# Altium PCB carrier.PcbDoc (part 3 of 5)
Units mil, origin at the board's own origin, x right, y up, seen from the top; angles counter-clockwise.
Board outline 5511.81 x 3425.2 mil, 4 copper layers (Component Side, Power_layer1, Power_layer2, Solder Side), stack 65.912 mil thick; 384 components, 416 nets, 1916 pads, 853 vias.
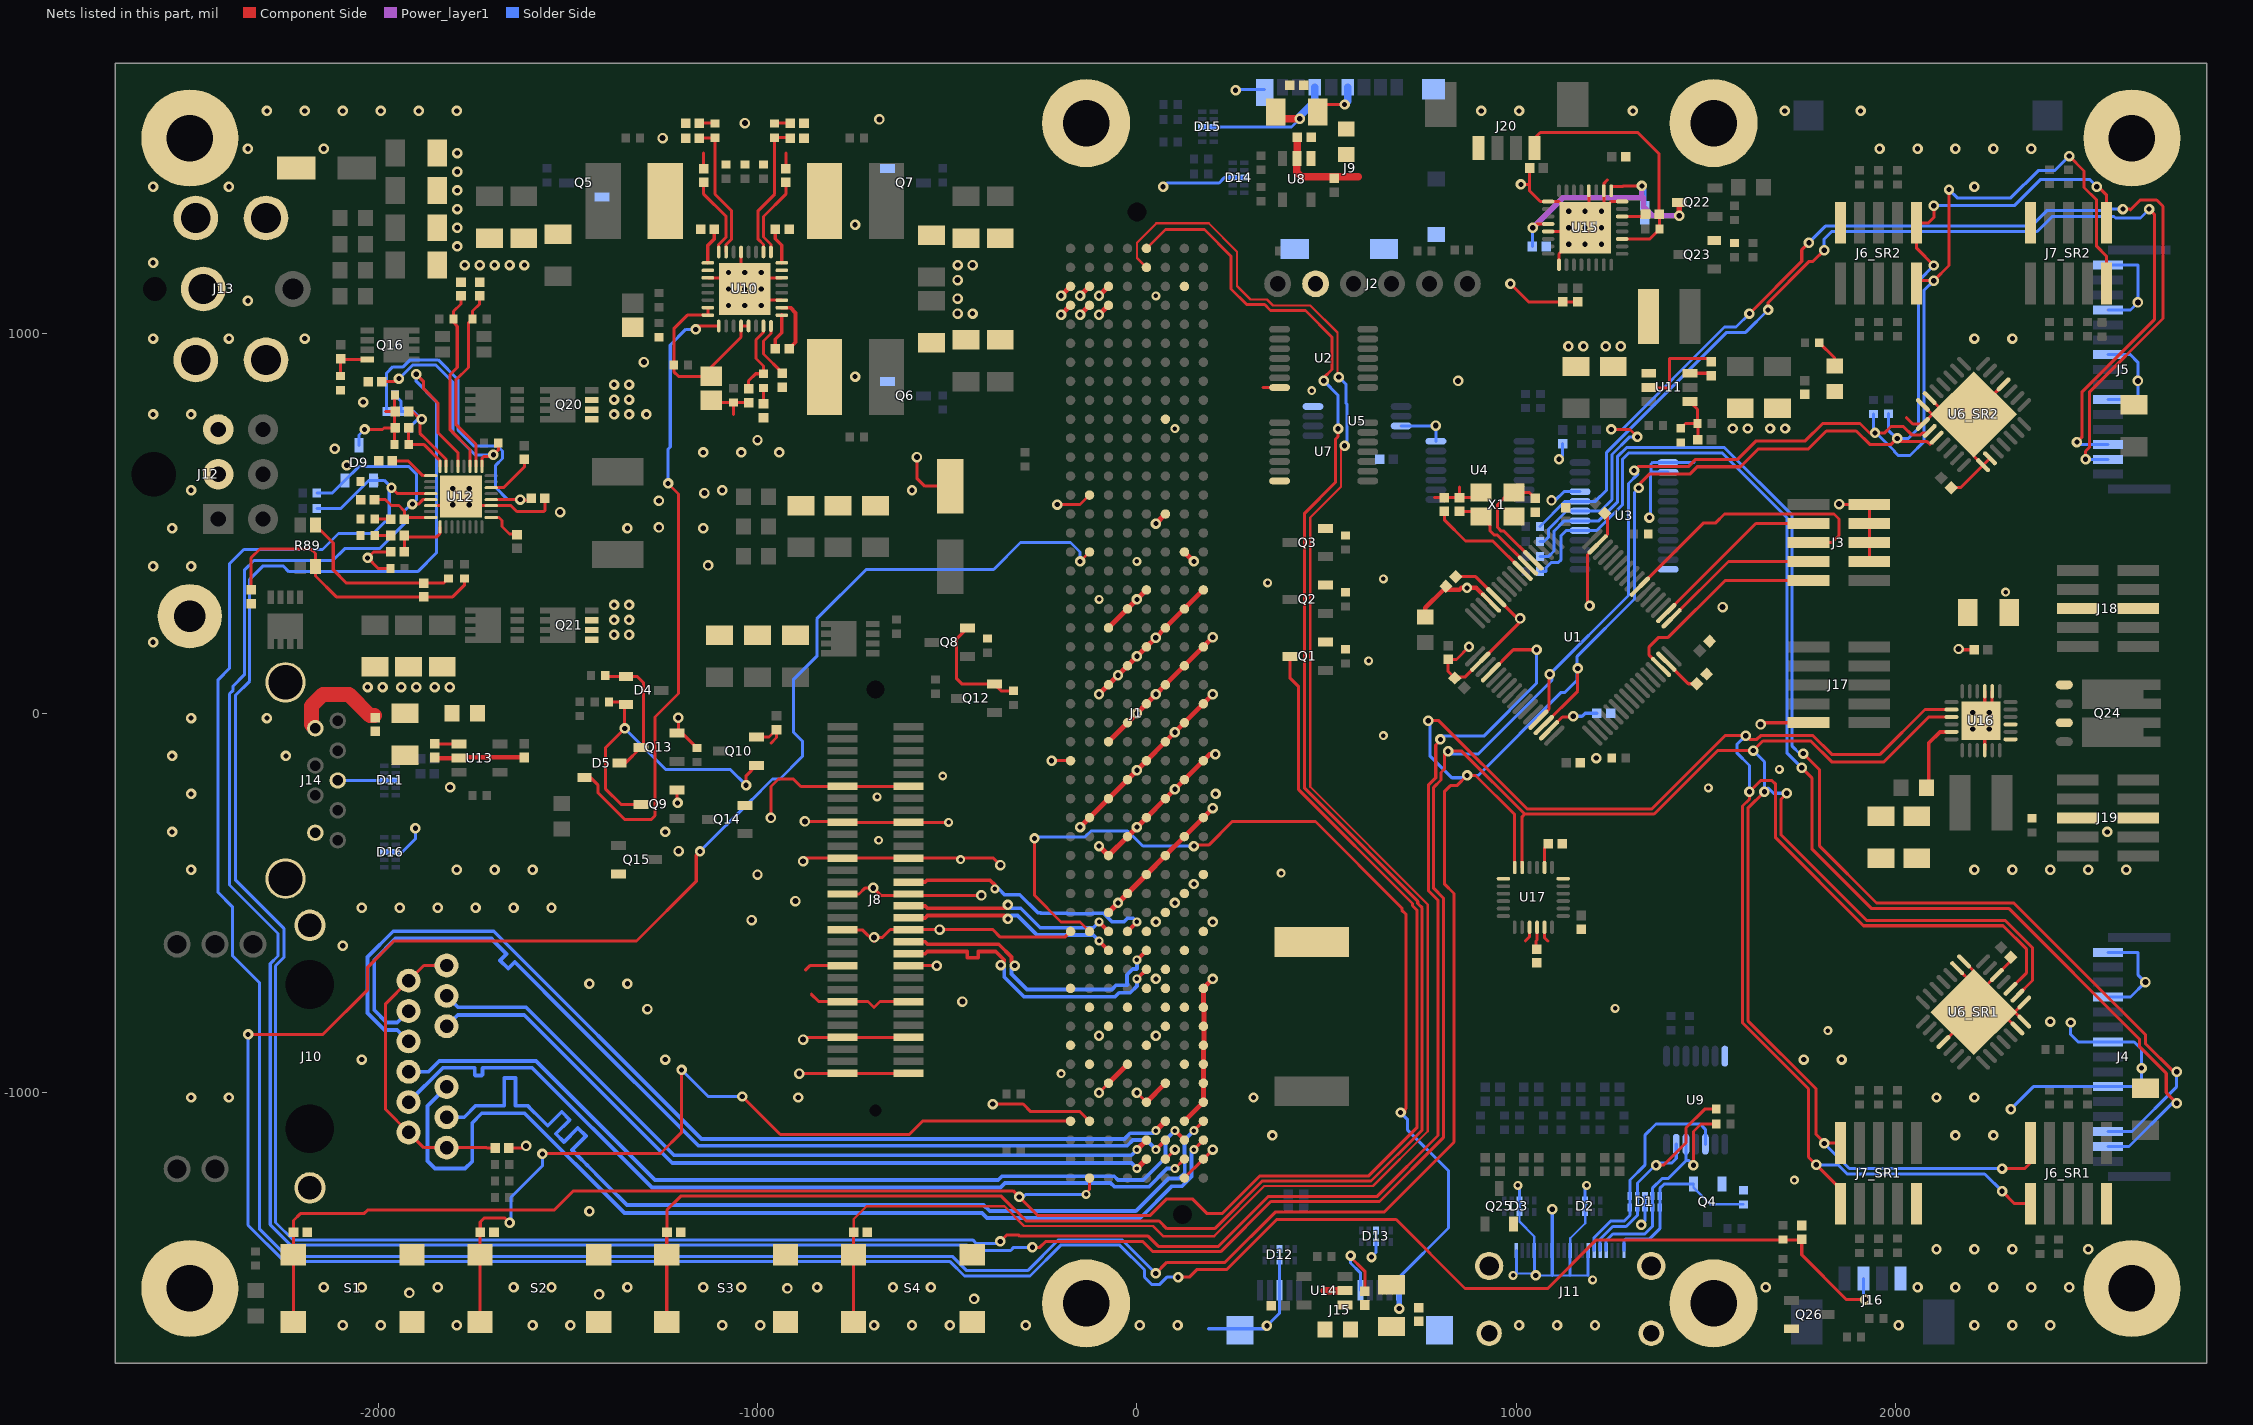
[diagram p5: the nets of this part, all layers, seen from the top]

## Via types
v1: diameter 27.56, hole 13.78, Component Side to Solder Side, 418 vias
v2: diameter 27.56, hole 13.78, Component Side to Solder Side, tented both sides, 128 vias
v3: diameter 23.62, hole 11.81, Component Side to Solder Side, tented top, 101 vias
v4: diameter 27.56, hole 13.78, Component Side to Solder Side, tented top, 72 vias
v5: diameter 27.56, hole 15.75, Component Side to Solder Side, 48 vias
v6: diameter 23.62, hole 11.81, Component Side to Solder Side, 39 vias
v7: diameter 27.56, hole 13.78, Component Side to Solder Side, tented bottom, 36 vias
v8: diameter 27.56, hole 15.75, Component Side to Solder Side, tented bottom, 7 vias
v9: diameter 50, hole 28, Component Side to Solder Side, 2 vias
v10: diameter 23.62, hole 11.81, Component Side to Solder Side, tented bottom, 2 vias

## Nets (pads, with @x,y where several pads share a name; then routed paths per layer and width w, separated by ;. In a path a pad name is that pad's centre, name@x,y a point inside that pad or via, vN(x,y) a via of type N, cw(c..) or ccw(c..) an arc to the next point about the centre after c; other vN are vias at no path point) (continued)
DPM2_D1_P: J1.D37 J8.28 | length 700
  Component Side w9.7: J8.28@-602.36,-444.88 -558.14,-444.88 -553.26,-440 -387.15,-440 -374.21,-452.95 v6(-374.21,-462.79) ; J1.D37@-25,-575 v3(0,-550)
  Solder Side w9.7: v6(-374.21,-462.79) -364.36,-462.79 -348.9,-478.25 -308.9,-478.25 -261.78,-525.37 -254.63,-525.37 -252.82,-527.18 -184.16,-527.18 -182.61,-528.73 -117.39,-528.73 -115.84,-527.18 -87.99,-527.18 -65.97,-549.2 -34.39,-549.2 -25.19,-540 -10,-540 v3(0,-550)
DPM2_D2_N: J1.C37 J8.32 | length 575.3
  Component Side w9.7: J8.32@-602.36,-507.87 -558.14,-507.87 -551.99,-514.02 -348.93,-514.02 v1(-340,-505.09) ; v3(-100,-550) J1.C37@-75,-575
  Solder Side w9.7: v1(-340,-505.09) -331.07,-514.02 -305.98,-514.02 -254.6,-565.4 -115.4,-565.4 v3(-100,-550)
DPM2_D2_P: J1.C38 J8.34 | length 575.3
  Component Side w9.7: J8.34@-602.36,-539.37 -558.14,-539.37 -551.99,-533.22 -348.93,-533.22 v1(-340,-542.15) ; v3(-100,-600) J1.C38@-75,-625
  Solder Side w9.7: v1(-340,-542.15) -331.07,-533.22 -315,-533.22 -263.62,-584.6 -115.4,-584.6 v3(-100,-600)
DPM2_D3_N: J1.E38 J8.38 | length 787.4
  Component Side w9.7: J8.38@-602.36,-602.36 -558.14,-602.36 -551.99,-608.51 -364.34,-608.51 -330.8,-642.05 -330.8,-656.07 v1(-321.87,-665) ; v3(0,-650) J1.E38@25,-625
  Solder Side w9.7: v1(-321.87,-665) -330.8,-673.93 -330.8,-687.05 -290,-727.85 -65.74,-727.85 -55.03,-717.14 -25.71,-717.14 -24.19,-715.63 -24.19,-712.8 -26.16,-710.84 -26.16,-689.16 -10.84,-673.84 -0.99,-673.84 0,-672.85 v3(0,-650)
DPM2_D3_P: J1.E39 J8.40 | length 786.7
  Component Side w9.7: J8.40@-602.36,-633.86 -558.14,-633.86 -551.99,-627.71 -492.13,-627.71 -477.28,-627.71 -447.58,-627.71 -447.58,-644.05 -417.88,-644.05 -417.88,-627.71 -372.29,-627.71 -350,-650 -350,-655 -358.61,-663.61 v1(-358.93,-663.61) ; v3(0,-700) J1.E39@25,-675
  Solder Side w9.7: v1(-358.93,-663.61) -350,-672.54 -350,-695 -297.95,-747.05 -57.79,-747.05 -47.08,-736.34 -17.75,-736.34 0,-718.59 v3(0,-700)
EN_OTG: U1.20 U12.5 | length 7938.4
  Component Side w8: v1(-1899.61,893.7) -1879.92,874.02 -1879.92,855 -1842.59,817.67 -1842.59,740 -1789.37,686.78 U12.5@-1789.37,650.59 ; v1(-360.13,-1391.84) -343.29,-1375 -311.57,-1375 -308.57,-1378 29.46,-1378 56.41,-1404.95 214.64,-1404.95 330.14,-1289.46 330.34,-1289.46 346.84,-1272.96 633.43,-1272.96 793.54,-1112.85 793.54,-492.55 768,-467.01 768,-189.4 787.4,-170 787.4,-83.66 799.7,-71.36 v1(799.7,-68.9) ; U1.20@932.86,108.13 992.05,167.32 v1(1053.15,167.32)
  Solder Side w8: v1(-1899.61,893.7) -1899.61,874.61 -1846.3,821.3 -1846.3,422.45 -1895.71,373.03 -2235.24,373.03 -2250.55,388.35 -2302.87,388.35 -2338.36,352.86 -2338.36,84.7 -2376.2,46.86 -2376.2,-438.76 -2248.25,-566.71 -2248.25,-643.81 -2270.09,-665.65 -2270.09,-1342.11 -2224.33,-1387.88 -432.99,-1387.88 -423.23,-1397.64 -365.93,-1397.64 v1(-360.13,-1391.84) ; v1(799.7,-68.9) 797.24,-68.9 805.87,-60.27 914.14,-60.27 1053.15,78.74 v1(1053.15,167.32)
GND: C1.2 C2.2 C3.2 C4.2 C5.2 C6.2 C7.2 C8.2 C9.2 C10.2 C11.2 C12.1 C13.2 C14_SR1.1 C14_SR2.1 C15.1 C16.1 C17.1 C18.1 C19.2 C20.1 C21.1 C22.1 C23.1 C33.1 C34.1 C35.1 C36.1 C37.1 C38.1 C39.2 C40.1 C41.1 C42.1 C44.1 C45.1 C46.1 C47.1 C48.1 C49.1 C52.1 C53.1 C54.1 C55.1 C56.1 C58.1 C59.1 C60.1 C61.1 C62.1 C63.1 C64.1 C65.1 C66.1 C67.1 C68.1 C69.1 C70.1 C77.2 C78.2 C79.2 C80.2 C81.1 C82.1 C83.1 C84.1 C85.1 C86.2 C87.1 C88.1 C89.1 C92.2 C93.1 C94.1 C95.1 C98.1 C99.1 C100.1 C101.1 C102.1 C103.1 C105.1 C106.1 C107.2 C108.2 C109.1 C110.1 C111.1 C112.1 C113.2 C114.1 C115.1 C116.1 C117.1 C118.1 C119.2 C120.1 C121.2 C122.2 C123.2 D1.3 D2.3 D3.3 D6.C D9.A D10.A D11.3 D12.3 D13.3 D14.3 D15.3 D16.3 J1.A3 J1.A4 J1.A28 J1.A37 J1.A40 J1.A43 J1.B3 J1.B4 J1.B14 J1.B31 J1.B38 J1.B41 J1.B44 J1.B47 J1.C3 J1.C4 J1.C21 J1.C24 J1.C27 J1.C30 J1.C33 J1.C36 J1.C39 J1.C42 J1.C45 J1.D20 J1.D23 J1.D26 J1.D29 J1.D32 J1.D35 J1.D38 J1.D41 J1.D44 J1.E19 J1.E22 J1.E25 J1.E28 J1.E31 J1.E34 J1.E37 J1.E40 J1.E43 J1.E46 J1.F10 J1.F15 J1.F21 J1.F24 J1.F27 J1.F30 J1.F33 J1.F36 J1.F39 J1.F40 J1.F41 J1.F42 J1.F45 J1.F49 J1.G3 J1.G17 J1.G20 J1.G23 J1.G26 J1.G29 J1.G32 J1.G35 J1.G38 J1.G41 J1.G44 J1.G47 J1.G50 J1.H19 J1.H22 J1.H25 J1.H28 J1.H31 J1.H34 J1.H37 J1.H40 J1.H41 J1.H42 J1.H43 J1.H44 J1.H45 J1.H46 J1.H49 J2.2 J3.3 J3.5 J3.7 J3.9 J4.1 J4.4 J4.7 J4.10 J5.1 J5.4 J5.7 J5.10 J6_SR1.2 J6_SR2.2 J7_SR1.2 J7_SR2.2 J8.11 J8.12 J8.17 J8.18 J8.23 J8.24 J8.29 J8.30 J8.35 J8.36 J8.41 J8.42 J8.47 J8.48 J8.53 J8.54 J8.59 J8.60 J9.6 J9.SHIELD J9.SW2 J10.SHIELD J11.1 J11.4 J11.7 J11.10 J11.13 J11.SHIELD J12.2 J12.3 J13.2 J13.3 J14.4 J14.7 J14.SHIELD J15.5 J15.8 J15.SHIELD J16.1 J17.2 J18.5 J18.6 J19.5 J19.6 J20.4 MH1.1 MH2.1 MH3.1 MH4.1 MH5.1 MH7.1 MH8.1 MH9.1 MH10.1 Q1.S Q2.S Q3.S Q4.S Q5.S Q6.S Q7.S Q8.S Q9.S Q10.S Q12.S Q13.S Q14.S Q15.S Q20.S Q21.S Q23.E Q25.S Q26.S R6.1 R7.1 R17.1 R18.1 R19.1 R30.2 R57.2 R61.2 R67.1 R68.2 R74.1 R75.1 R79.1 R81.2 R82.1 R93.1 R96.1 R97.1 R98.2 R99.2 R100.1 R101.1 R106.1 R112.1 S1.2 S2.2 S3.2 S4.2 U1.12 U1.18 U1.63 U2.7 U3.1 U3.2 U3.12 U3.21 U4.7 U5.4 U5.7 U6_SR1.1 U6_SR1.2 U6_SR1.11 U6_SR1.20 U6_SR1.21 U6_SR1.22 U6_SR1.26 U6_SR1.29 U6_SR2.1 U6_SR2.2 U6_SR2.11 U6_SR2.20 U6_SR2.21 U6_SR2.22 U6_SR2.29 U7.7 U8.2 U9.7 U10.11 U10.14 U10.21 U10.27 U10.33 U11.1 U12.14 U12.27 U12.33 U13.2 U14.2 U15.1 U15.16 U15.18 U15.20 U15.25 U15.29 U15.33 U16.4 U16.14 U16.15 U16.25 U17.1 U17.9 U17.11 U17.18 X1.2 | length 18790.2
  Component Side w8: v1(-2035.43,748.03) -1988.19,748.03 -1984.25,751.97 C82.1@-1956.69,751.97 ; -1980.31,795.28 C70.1@-1956.69,795.28 ; R99.2@-1967.52,381.89 -2000,381.89 v1(-2027.56,409.45) -2011.81,425.2 C78.2@-1966.93,425.2 ; R101.1@-1956.69,708.66 C82.1@-1956.69,751.97 ; R98.2@-1955.71,838.58 -1956.69,837.6 C70.1@-1956.69,795.28 ; C82.1@-1955.12,751.97 C82.1@-1956.69,751.97 ; C70.1@-1955.12,795.28 C70.1@-1956.69,795.28 ; U12.14@-1861.22,547.24 -1805.12,547.24 v1(-1803.15,549.21) U12.33@-1781.5,570.87 -1757.87,547.24 U12.27@-1701.77,547.24 -1650,547.24 -1634.25,531.5 -1562.99,531.5 -1560.63,533.86 C80.2@-1560.63,566.93 ; C23.1@-1655.12,-1145.67 -1615.67,-1145.67 v5(-1610,-1140) ; Q9.S@-1212.76,-202.6 -1212.76,-225.91 -1210.63,-228.03 v1(-1210.63,-236.22) ; v1(-1208.66,-11.81) -1208.66,-48.5 Q13.S@-1212.76,-52.6 -1198.7,-52.6 R81.2@-1160,-91.3 ; C36.1@-1141.73,1435.43 -1141.73,1476.38 ; U10.27@-1130.91,1147.64 -1062.99,1147.64 U10.33@-1043.31,1127.95 ; C64.1@-1122.05,824.8 -1115.75,818.5 R61.2@-1062.99,818.5 ; -1062.99,787.4 R61.2@-1062.99,818.5 ; R61.2@-1062.99,818.9 R61.2@-1062.99,818.5 ; U10.21@-1043.31,1215.55 U10.33@-1043.31,1127.95 ; C46.1@-1023.62,818.5 R61.2@-1062.99,818.5 ; Q10.S@-1002.76,-62.6 -969.49,-62.6 C66.1@-950,-43.11 -950,-64.17 -964.57,-78.74 ; v5(-964.57,-275.59) -964.57,-192.91 -944.88,-173.23 -905.51,-173.23 -885.83,-192.91 J8.11@-775.59,-192.91 J8.12@-602.36,-192.91 ; U10.11@-936.02,1088.58 -1003.94,1088.58 v1(-1033.46,1118.11) ; U10.14@-936.02,1147.64 -1003.94,1147.64 v1(-1033.46,1118.11) ; C61.1@-925.2,1435.43 -925.2,1476.38 ; v5(-890,-950) -888.82,-948.82 J8.59@-775.59,-948.82 J8.60@-602.36,-948.82 ; v5(-880,-860) -874.33,-854.33 J8.53@-775.59,-854.33 J8.54@-602.36,-854.33 ; v5(-880,-390) -871.89,-381.89 J8.23@-775.59,-381.89 J8.24@-602.36,-381.89 -378.11,-381.89 v5(-360,-400) ; v5(-875,-285) -777.99,-285 J8.17@-775.59,-287.4 J8.18@-602.36,-287.4 v6(-496.06,-287.4) ; -874.02,-677.17 -862.2,-665.35 J8.41@-775.59,-665.35 ; -858.27,-740.16 -838.58,-759.84 J8.47@-775.59,-759.84 -708.66,-759.84 -692.91,-775.59 -677.17,-759.84 J8.48@-602.36,-759.84 ; J8.35@-775.59,-570.87 -723.62,-570.87 -692.91,-601.57 v5(-692.91,-590.55) -670.55,-590.55 -650,-570 v5(-520,-570) -380,-570 -360.06,-589.94 -189.94,-589.94 J1.A37@-175,-575 ; J8.29@-775.59,-476.38 -732.28,-476.38 -715.91,-460 v5(-695,-460) -675,-480 v5(-410,-480) ; J8.42@-602.36,-665.35 v1(-527.56,-665.35) ; v5(-580,675) -580,619.37 -559.06,598.43 C113.2@-492.13,598.43 ; Q8.S@-446.31,224.41 -476,194.72 -476,92.14 -460.63,76.77 Q12.S@-375.98,76.77 -358.27,59.06 R82.1@-324.8,59.06 ; v1(-380,-1030) -300,-1030 -280,-1050 -150,-1050 J1.B47@-125,-1075 ; v4(-225,-125) J1.A28@-175,-125 ; v4(-210,550) -150,550 J1.B14@-125,575 ; v4(-100,-1000) J1.C45@-75,-975 ; v4(0,-1000) J1.E46@25,-1025 ; J1.F49@75,-1175 v4(100,-1150) ; J1.G50@125,-1225 J1.H49@175,-1175 v4(200,-1150) ; 332.68,858.27 U2.7@375.98,858.27 ; v1(562.99,-1429.13) 559.06,-1429.13 600.39,-1470.47 C93.1@600.39,-1523.23 ; 784.65,568.11 C9.2@810,568.11 C10.2@850,568.11 ; C2.2@840,360 892.56,360 U1.12@946.78,305.79 1002.56,250 v5(1010,250) 1010,240.95 U1.18@905.02,135.97 864.06,95.01 837.19,95.01 C3.2@837.19,92.81 820,110 C1.2@820,141.89 841.89,141.89 v1(875,175) ; 850,596.85 C10.2@850,568.11 ; X1.2@906.69,581.5 893.31,568.11 C10.2@850,568.11 ; v1(984.25,1131.89) 1031.89,1084.25 C100.1@1122.05,1084.25 C101.1@1161.42,1084.25 ; v1(1011.81,1393.7) 1035.04,1393.7 ; 1023.62,-600.39 1034.76,-589.26 U17.9@1034.76,-563.98 ; C103.1@1035.04,1437.01 1035.04,1393.7 ; U17.11@1074.13,-563.98 1074.13,-591.84 1082.68,-600.39 ; U15.29@1083.66,1269.69 U15.33@1171.26,1269.69 ; U15.1@1112.2,1182.09 1112.2,1210.63 v1(1137.8,1236.22) U15.33@1171.26,1269.69 ; U15.20@1190.94,1376.97 U15.33@1190.94,1289.37 ; v1(1192.91,283.46) 1187.26,289.12 1187.26,418.21 U1.63@1214.03,444.98 1240,470.95 1240,520 C6.2@1232.81,527.19 ; v1(1224.41,1322.83) U15.33@1190.94,1289.37 ; 1240.16,1405.67 1230.32,1395.82 U15.18@1230.32,1376.97 1230.32,1328.74 1250,1348.43 U15.16@1278.54,1348.43 ; v5(1643.7,-29.53) 1648.23,-25 J17.2@1770,-25 ; v5(1850.39,551.18) 1851.57,550 J3.9@1930,550 J3.7@1930,500 J3.5@1930,450 J3.3@1930,400 ; 2027.56,779.53 2044.74,762.35 U6_SR2.22@2071.1,762.35 U6_SR2.29@2096.15,787.4 ; U6_SR2.21@2071.1,812.46 U6_SR2.29@2096.15,787.4 ; U6_SR2.20@2089.19,830.55 U6_SR2.29@2132.34,787.4 ; U6_SR1.11@2125.38,-866.74 U6_SR1.29@2204.72,-787.4 ; C14_SR2.1@2145.61,594.39 2170.39,594.39 U6_SR2.1@2229.78,653.78 ; U6_SR1.2@2161.57,-671.87 U6_SR1.29@2204.72,-715.02 ; v5(2165.35,169.29) 2167.32,167.32 C110.1@2206.3,167.32 ; U6_SR1.1@2179.67,-653.78 2204.72,-678.83 U6_SR1.29@2204.72,-715.02 ; U16.4@2234.25,-97.44 2234.25,-29.53 U16.25@2224.41,-19.68 v1(2246.06,1.97) 2253.94,9.84 U16.14@2253.94,58.07 ; U16.25@2234.25,1.97 U16.15@2234.25,58.07 ; U6_SR2.2@2247.87,671.87 U6_SR2.1@2229.78,653.78 ; U6_SR2.11@2284.07,866.74 U6_SR2.29@2204.72,787.4 ; C14_SR1.1@2302.81,-642.81 2302.81,-653.13 U6_SR1.26@2265.97,-689.97 U6_SR1.29@2204.72,-751.21 ; U6_SR1.20@2320.26,-830.55 U6_SR1.29@2277.11,-787.4 ; U6_SR1.21@2338.35,-812.46 U6_SR1.29@2313.3,-787.4 ; U6_SR1.22@2338.35,-762.35 U6_SR1.29@2313.3,-787.4 ; C82.1@-1956.69,751.97 C70.1@-1956.69,795.28 ; U10.33@-1043.31,1127.95 v1(-1033.46,1118.11) ; 1035.04,1393.7 1035.04,1376.38 1062.99,1348.43 U15.25@1083.66,1348.43 1112.2,1348.43 v1(1137.8,1322.83) v1(1181.1,1279.53) ; U15.33@1171.26,1269.69 v1(1181.1,1279.53) ; v1(1181.1,1279.53) U15.33@1190.94,1289.37 ; U6_SR2.29@2096.15,787.4 U6_SR2.29@2132.34,787.4 ; U6_SR2.29@2132.34,787.4 U6_SR2.29@2204.72,787.4 ; U6_SR1.29@2204.72,-787.4 U6_SR1.29@2277.11,-787.4 ; U6_SR1.29@2204.72,-787.4 U6_SR1.29@2204.72,-751.21 ; U6_SR1.29@2204.72,-751.21 U6_SR1.29@2204.72,-715.02 ; U6_SR2.29@2204.72,787.4 2204.72,678.83 U6_SR2.1@2229.78,653.78 ; U6_SR1.29@2277.11,-787.4 U6_SR1.29@2313.3,-787.4
  Component Side w12: C87.1@-1850.39,-116.54 -1848.82,-118.11 U13.2@-1786.42,-118.11 -1784.84,-116.54 C86.2@-1614.17,-116.54
  Component Side w13: v4(-200,1050) J1.A4@-175,1075 ; v4(-200,1100) J1.A3@-175,1125 ; v4(-150,-300) J1.B31@-125,-275 J1.C30@-75,-225 J1.D29@-25,-175 v4(0,-150) J1.E28@25,-125 J1.F27@75,-75 v4(100,-50) J1.G26@125,-25 J1.H25@175,25 v4(200,50) ; v4(-150,1050) J1.B4@-125,1075 ; v4(-150,1100) J1.B3@-125,1125 ; v4(-100,-350) J1.C33@-75,-375 J1.D32@-25,-325 v4(0,-300) J1.E31@25,-275 J1.F30@75,-225 v4(100,-200) J1.G29@125,-175 J1.H28@175,-125 191.73,-108.27 v4(206.69,-108.27) ; v4(-100,50) J1.C24@-75,75 v4(-50,100) J1.D23@-25,125 v4(0,150) J1.E22@25,175 v4(49.21,199.21) J1.F21@75,225 J1.G20@125,275 J1.H19@175,325 ; v4(-100,1050) J1.C4@-75,1075 ; v4(-100,1100) J1.C3@-75,1125 ; J1.C45@-75,-975 J1.D44@-25,-925 ; J1.C36@-75,-525 v4(-50,-500) J1.D35@-25,-475 J1.E34@25,-425 J1.F33@75,-375 J1.G32@125,-325 J1.H31@175,-275 v4(200,-250) ; J1.C27@-75,-75 J1.D26@-25,-25 v4(0,0) J1.E25@25,25 v4(50,50) J1.F24@75,75 J1.G23@125,125 J1.H22@175,175 v4(200,200) ; J1.C21@-75,225 J1.D20@-25,275 v4(0,300) J1.E19@25,325 ; J1.E46@25,-1025 J1.F45@75,-975 ; v4(50,500) J1.F15@75,525 ; J1.G47@125,-1075 J1.H46@175,-1025 J1.H45@175,-975 J1.H44@175,-925 J1.H43@175,-875 176.28,-873.72 176.28,-826.28 J1.H42@175,-825 176.28,-823.72 176.28,-776.28 J1.H41@175,-775 J1.H40@175,-725 v4(200,-700) ; J1.G17@125,425 v4(150,400)
  Component Side w20: C22.1@366.14,1584.65 383.79,1567 v7(429,1567) ; C20.1@422.83,1517.72 422.83,1463.19 U8.2@421.26,1461.61 421.26,1425.2 433.07,1413.39 582.68,1413.39 ; 494.09,-1521.65 U14.2@548.23,-1521.65
  Solder Side w6: v10@1000,-1476.38 v7@1047.24,-1476.38 ; v6(1003.94,-1244.09) v6@1007.87,-1248.03 ; D3.3@1007.87,-1314.37 1007.87,-1339.45 1047.24,-1378.82 J11.4@1047.24,-1415.35 ; v7@1049.46,-1479.83 v7(1051.18,-1481.55) ; v7@1052.92,-1476.38 1051.18,-1476.38 v7(1051.18,-1481.55) ; J11.10@1141.73,-1415.35 1141.73,-1383.61 1181.1,-1344.24 D2.3@1181.1,-1314.37 ; 1188.98,-1481.55 1141.73,-1481.55 1094.49,-1481.55 v7(1051.18,-1481.55)
  Solder Side w8: J14.7@-2106.3,-177.17 D11.3@-1983.66,-177.17 D11.3@-1953.35,-177.17 ; D9.A@-2050,706.26 -2050,733.46 v1(-2035.43,748.03) ; D16.3@-1983.66,-366.14 D16.3@-1953.35,-366.14 -1937.01,-366.14 -1901.57,-330.71 v1(-1901.57,-303.15) ; v4(68.9,1387.8) 78.74,1397.64 216.54,1397.64 230.31,1411.42 D14.3@252.56,1411.42 D14.3@282.87,1411.42 ; D15.3@171.85,1545.28 D15.3@202.17,1545.28 407.28,1545.28 v7(429,1567) ; 188.98,-1622.05 334.65,-1622.05 v7(342.52,-1614.17) 375.98,-1580.71 J15.8@375.98,-1520.67 D12.3@375.98,-1442.32 D12.3@375.98,-1412.01 ; v1(259.84,1641.73) 261.81,1643.7 J9.SHIELD@336.42,1643.7 ; v1(562.99,-1429.13) 562.99,-1448.82 588.58,-1474.41 J15.5@588.58,-1520.67 ; v1(618.11,-1433.07) 629.92,-1421.26 D13.3@629.92,-1393.11 D13.3@629.92,-1362.8 ; U5.7@696.14,757.2 786.73,757.2 v5(787.4,757.87) 787.86,757.42 U4.7@787.86,716.77 ; v10@1000,-1476.38 J11.1@1000,-1415.35 ; D3.3@1007.87,-1314.37 D3.3@1007.87,-1284.06 v6@1007.87,-1248.03 ; J11.4@1047.24,-1415.35 1047.24,-1476.38 1047.24,-1477.61 v7@1049.46,-1479.83 ; v5(1092.52,561.02) 1102.36,561.02 1125.31,583.98 U3.21@1167.64,583.98 ; 1094.49,-1481.55 J11.7@1094.49,-1415.35 v1(1094.49,-1307.09) ; v1(1112.2,669.29) 1122.05,679.13 C18.1@1122.05,710.24 ; 1141.73,-1481.55 J11.10@1141.73,-1415.35 ; D2.3@1181.1,-1314.37 D2.3@1181.1,-1284.06 1181.1,-1248.03 v6(1185.04,-1244.09) ; 1188.98,-1481.55 J11.13@1188.98,-1415.35 ; v1(1328.74,-1348.43) 1338.58,-1338.58 D1.3@1338.58,-1302.56 D1.3@1338.58,-1272.24 ; v1(1350.39,515.75) 1353.66,519.02 1353.66,633.86 1354.96,635.16 ; U3.2@1399.92,635.16 1354.96,635.16 ; 1468.5,661.42 1359.53,661.42 1354.96,656.85 1354.96,635.16 ; v1(2303.15,-1043.31) 2362.2,-984.25 J4.10@2559.06,-984.25 2627.95,-984.25 2647.64,-964.57 v1(2647.64,-935.04) 2647.64,-885.83 2627.95,-866.14 J4.7@2559.06,-866.14 2480.32,-866.14 2460.63,-846.46 v1(2460.63,-814.96) ; J4.4@2559.06,-748.03 2618.11,-748.03 v5(2657.48,-708.66) 2637.8,-688.98 2637.8,-629.92 J4.1@2559.06,-629.92 ; J5.10@2559.06,826.77 2627.95,826.77 2637.8,836.61 v5(2637.8,875.98) 2637.8,925.2 2618.11,944.88 J5.7@2559.06,944.88 ; J5.4@2559.06,1062.99 2618.11,1062.99 v5(2637.8,1082.68) 2637.8,1181.1 J5.1@2559.06,1181.1
  Solder Side w20: v7(429,1567) 427.09,1567 425.2,1568.9 468.7,1612.4 J9.6@468.7,1649.61
  other v1: 1210.63,-118.11 2202.76,-41.34 2246.06,-41.34 2202.76,1.97 -2027.56,68.9 -1988.19,68.9 -1938.98,68.9 -1899.61,68.9 -1850.39,68.9 -1811.02,68.9 -1377.95,206.69 -1338.58,206.69 -1377.95,246.06 -1338.58,246.06 -1377.95,285.43 -1338.58,285.43 -1759.84,549.21 -1803.15,592.52 -1759.84,592.52 -2082.68,653.54 -2114.17,696.85 1570.16,750.39 1609.53,750.39 1668.58,750.39 1707.95,750.39 -1377.95,787.4 -1338.58,787.4 -2039.21,819.95 -1377.95,826.77 -1338.58,826.77 -1377.95,866.14 -1338.58,866.14 1137.09,966.93 1176.46,966.93 1235.51,966.93 1274.88,966.93 -1076.77,1074.8 -1033.46,1074.8 -990.16,1074.8 -1076.77,1118.11 -990.16,1118.11 -1076.77,1161.42 -1033.46,1161.42 -990.16,1161.42 1181.1,1236.22 1224.41,1236.22 1137.8,1279.53 1224.41,1279.53 1181.1,1322.83 -1791.34,1377.95 -1791.34,1427.17 -1791.34,1476.38
  other v2: -2092.91,-1612.6 -1992.91,-1612.6 -1792.91,-1612.6 -1592.91,-1612.6 -1492.91,-1612.6 -1092.91,-1612.6 -992.91,-1612.6 -692.91,-1612.6 -592.91,-1612.6 -492.91,-1612.6 -292.91,-1612.6 7.09,-1612.6 107.09,-1612.6 1007.09,-1612.6 1107.09,-1612.6 1207.09,-1612.6 2007.09,-1612.6 2207.09,-1612.6 2307.09,-1612.6 2407.09,-1612.6 -2142.91,-1512.6 -2042.91,-1512.6 -1842.91,-1512.6 -1642.91,-1512.6 -1542.91,-1512.6 -1342.91,-1512.6 -1142.91,-1512.6 -1042.91,-1512.6 -842.91,-1512.6 -642.91,-1512.6 -542.91,-1512.6 1657.09,-1512.6 2057.09,-1512.6 2157.09,-1512.6 2257.09,-1512.6 2357.09,-1512.6 2457.09,-1512.6 2107.09,-1412.6 2207.09,-1412.6 2307.09,-1412.6 2507.09,-1412.6 -1442.91,-1312.6 357.09,-1112.6 2157.09,-1112.6 2257.09,-1112.6 -2492.91,-1012.6 -2392.91,-1012.6 -892.91,-1012.6 307.09,-1012.6 2107.09,-1012.6 2207.09,-1012.6 -2042.91,-912.6 -1242.91,-912.6 1757.09,-912.6 1857.09,-912.6 2407.09,-812.6 -1442.91,-712.6 -1342.91,-712.6 -2092.91,-612.6 -2042.91,-512.6 -1942.91,-512.6 -1842.91,-512.6 -1742.91,-512.6 -1642.91,-512.6 -1542.91,-512.6 -2492.91,-412.6 -1792.91,-412.6 -1692.91,-412.6 -1592.91,-412.6 2207.09,-412.6 2307.09,-412.6 2407.09,-412.6 2507.09,-412.6 2607.09,-412.6 -2542.91,-312.6 -1242.91,-312.6 2557.09,-312.6 -2492.91,-212.6 207.09,-212.6 -2542.91,-112.6 -2242.91,-112.6 -2492.91,-12.6 -2292.91,-12.6 -2592.91,187.4 -2592.91,387.4 -2492.91,387.4 -2542.91,487.4 -1342.91,487.4 -1142.91,487.4 -2492.91,587.4 -1092.91,587.4 -592.91,587.4 -1142.91,687.4 -1042.91,687.4 -942.91,687.4 -2592.91,787.4 -2492.91,787.4 -1292.91,787.4 -742.91,887.4 -2592.91,987.4 -2392.91,987.4 -2192.91,987.4 2207.09,987.4 2307.09,987.4 -2342.91,1087.4 -2592.91,1187.4 -742.91,1287.4 -2592.91,1387.4 -2392.91,1387.4 2207.09,1387.4 -2342.91,1487.4 -2142.91,1487.4 1957.09,1487.4 2057.09,1487.4 2157.09,1487.4 2257.09,1487.4 2357.09,1487.4 -2292.91,1587.4 -2192.91,1587.4 -2092.91,1587.4 -1992.91,1587.4 -1892.91,1587.4 -1792.91,1587.4 907.09,1587.4 1007.09,1587.4 1307.09,1587.4 1707.09,1587.4 1907.09,1587.4
  other v3: -200,-950 -100,300 0,400 100,750 50,1100
  other v4: -100,-850 50,-850 50,-700 50,-550 200,-550 100,-500 150,-450
  other v5: -429.13,-1543.31 -1417.32,-1531.5 -1917.32,-1527.56 -921.26,-1515.75 -1290,-780 -460,-760 -1015.75,-545.28 -900,-495 -1000,-425.2 -1207.68,-363.19 -1810,-195 1543.31,279.53 -1130,390 -1260,490 -1520,530 -1260,560 -1140,580 -1000,720 846.46,875.98 -1250,1515.75 -1033.46,1555.12 -679.13,1564.96
  other v6: 1732.28,-1230.31 1820.87,-836.61 1259.84,-777.56 379.92,-421.26 -464.57,-385.83 -681.1,-334.65 -685.04,-220.47 1505.91,-196.85 -511.81,-165.35 1692.91,-147.64 649.61,-59.06 610.24,137.8 2288.98,319.05 344.49,343.5 649.61,354.33 460.63,850.39
  other v7: -433.07,1053.15 -1771.65,1181.1 -1732.28,1181.1 -1692.91,1181.1 -1653.54,1181.1 -1614.17,1181.1 -472.44,1181.1 -1791.34,1230.32 -1791.34,1279.53 -1791.34,1328.74
  other v8: -1299.21,925.2 -472.44,1053.15 -472.44,1092.52 -472.44,1141.73 -433.07,1181.1
  other v10: 1200.79,-1493.11 991.14,-1481.3
I2C_CAM1.SCL: J4.13 R128.1 U3.18 | length 3336.5
  Component Side w8: v1(1755.9,-106.3) 1799.21,-149.61 1799.21,-350.39 1948.82,-500 2311.02,-500 2657.48,-846.46 2657.48,-870.08 2732.28,-944.88 v1(2740.16,-944.88)
  Solder Side w8: R128.1@1062.01,413.39 1085,413.39 1099.07,427.46 1099.07,479.98 1126.3,507.2 U3.18@1167.64,507.2 1217.2,507.2 1266,556 1266,676 1290,700 1548.37,700 1726.6,521.77 1726.6,-86.61 1746.28,-106.3 v1(1755.9,-106.3) ; J4.13@2559.06,-1102.36 2622.05,-1102.36 2740.16,-984.25 v1(2740.16,-944.88)
I2C_CAM1.SDA: J4.14 R22.1 U3.17 | length 3372.9
  Component Side w8: v1(1751.97,-143.8) 1779.53,-171.35 1779.53,-358.55 1934.98,-514 2297.18,-514 2641.73,-858.55 2641.73,-877.95 2712.6,-948.82 2712.6,-1000 v1(2740.16,-1027.56)
  Solder Side w8: R22.1@1062.01,374.02 1078.58,374.02 1078.58,383.87 1092.51,397.8 1111.17,397.8 1116.9,403.53 1116.9,467.3 1131.22,481.61 U3.17@1167.64,481.61 1211.61,481.61 1280,550 1280,670 1295.35,685.35 1543.22,685.35 1712.6,515.98 1712.6,-104.43 v1(1751.97,-143.8) ; J4.14@2559.06,-1141.73 2614.17,-1141.73 2728.35,-1027.56 v1(2740.16,-1027.56)